# Altium PCB BB.PcbDoc (part 8 of 9)
Units mil, origin at the board's own origin, x right, y up, seen from the top; angles counter-clockwise.
Board outline 6860 x 3500 mil, 6 copper layers (Component Side, Ground Plane (GND), Inner Layer 1, Inner Layer 2, Power Plane (VCC), Solder Side), stack 51.068 mil thick; 496 components, 500 nets, 2194 pads, 1226 vias.
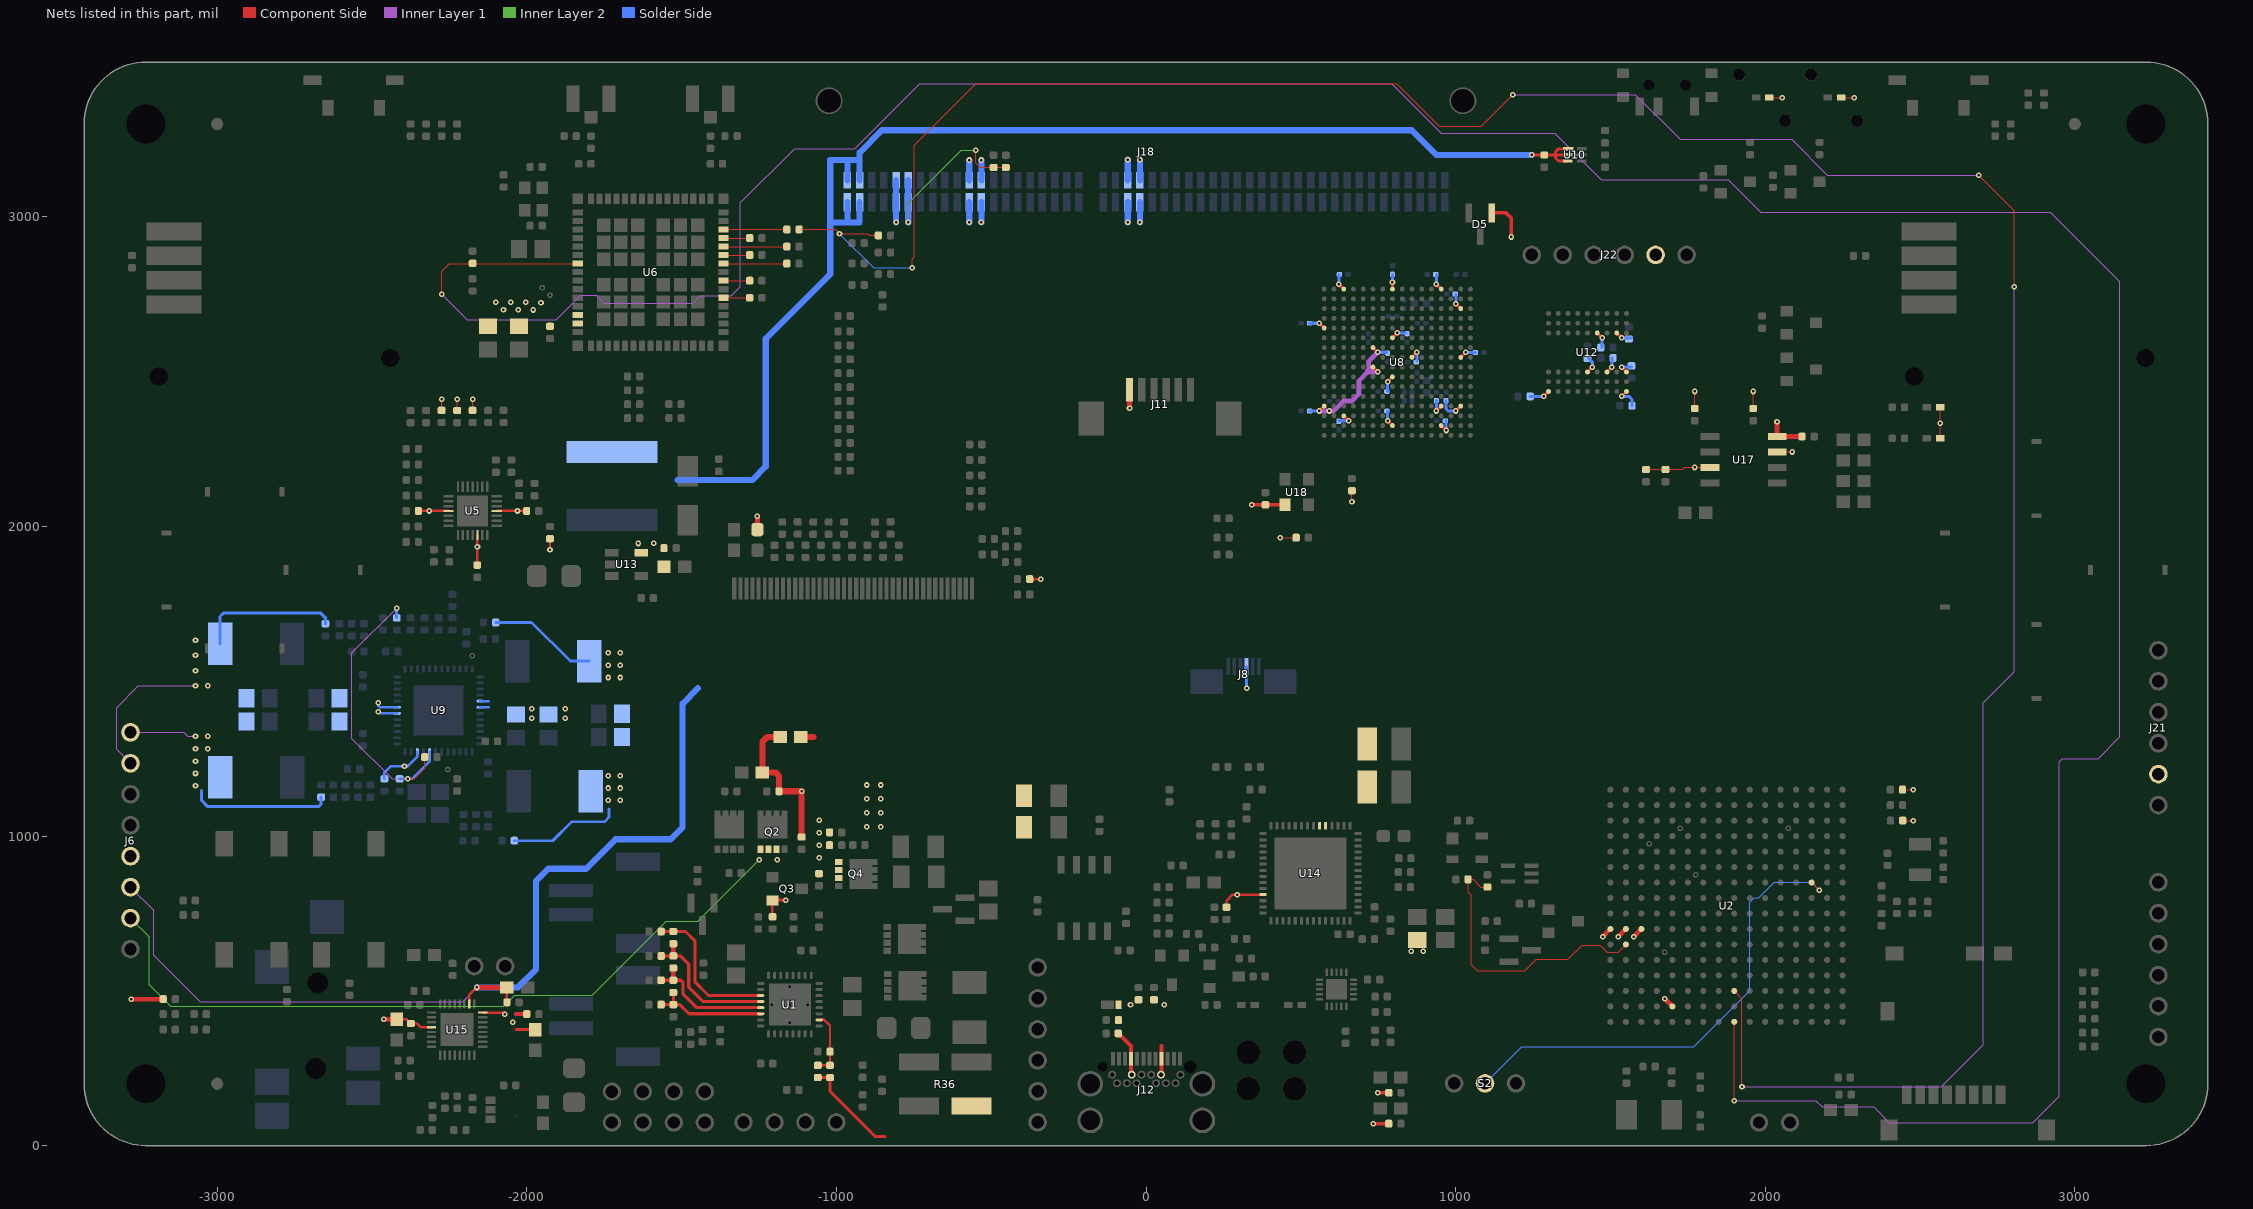
[diagram p12: the nets of this part, all layers, seen from the top]

## Via types
v1: diameter 18, hole 8, Component Side to Solder Side, tented both sides, 1183 vias
v2: diameter 19.68, hole 8, Component Side to Solder Side, tented bottom, 32 vias
v3: diameter 19.68, hole 7.87, Component Side to Solder Side, tented bottom, 4 vias
v4: diameter 19.68, hole 8, Component Side to Solder Side, tented both sides, 4 vias
v5: diameter 18, hole 8, Component Side to Solder Side, tented bottom, 3 vias

## Nets (pads, with @x,y where several pads share a name; then routed paths per layer and width w, separated by ;. In a path a pad name is that pad's centre, name@x,y a point inside that pad or via, vN(x,y) a via of type N, cw(c..) or ccw(c..) an arc to the next point about the centre after c; other vN are vias at no path point) (continued)
V3P3: C8.2 C9.2 C10.2 C11.2 C12.2 C13.2 C65.2 C66.2 C68.2 C69.2 C70.2 C71.2 C72.2 C73.2 C76.2 C77.2 C78.2 C94.2 C102.2 C118.2 C119.2 C120.2 C127.2 C128.2 C129.2 C130.2 C131.2 C140.2 C170.2 C171.2 D5.1 J6.5 J8.3 J11.1 J18.9 J18.10 J18.11 J18.12 J21.2 J22.2 L8.2 L11.1 LED2.1 LED3.1 LED5.1 LED7.1 R44.2 R49.1 R50.1 R56.1 R57.1 R68.1 R69.1 R95.1 R96.1 R104.1 R130.1 R167.1 R168.1 R171.1 R181.1 R182.1 R197.1 R200.2 R201.1 U5.4 U5.12 U5.18 U6.46 U6.47 U8.C15 U8.H10 U8.H15 U8.K8 U8.N13 U8.N15 U8.P3 U8.R8 U8.R13 U12.A7 U12.A9 U12.B3 U12.C7 U12.D3 U12.E7 U12.J9 U14.53 U15.16 U15.28 U17.3 U17.7 U17.8 U18.4 | length 4435.7
  Component Side w4: R50.1@-2275,2375 v1(-2275,2410.63) ; R49.1@-2225,2374.69 v1(-2225,2410.32) ; R68.1@-2175,2375 v1(-2175,2410.63) ; v1(-550,3215) -550,3175 -534.57,3159.57 R44.2@-492.13,3159.57 R200.2@-452.76,3159.57 ; v1@434.13,1963.86 R197.1@485.04,1963.86 ; v1@665,2080 R201.1@665,2115.63 ; R95.1@1614.96,2184.06 R96.1@1677.95,2184.06 1734.06,2184.06 1740.55,2190.55 v1(1772.44,2190.55) U17.3@1821.65,2190.55 ; R167.1@1772.44,2380.91 v1(1772.44,2436.02) ; R168.1@1961.42,2380.91 v1(1961.42,2436.02) ; LED7.1@2013.62,3385 v1(2055,3385) ; U17.7@2038.19,2240.55 v1(2087.4,2240.55) ; LED3.1@2245.62,3385 v1(2287,3385) ; R181.1@2443.39,1150 v1(2478.03,1150) ; R182.1@2444.02,1050 v1(2478.66,1050) ; LED5.1@2565,2285 v1(2565,2333) LED2.1@2565,2385
  Component Side w8: C77.2@-2420.16,408.39 -2388.17,408.39 C78.2@-2374.39,394.61 -2354.67,394.61 -2342.86,382.8 U15.28@-2307.68,382.8 ; C8.2@-2349.25,2050 U5.4@-2252.76,2050 ; C9.2@-2160,1875 -2159.25,1875.75 v1(-2159.25,1935) U5.12@-2159.25,1972.24 ; U15.16@-2142.32,430.04 -2078.34,430.04 ; U5.18@-2097.24,2050 C10.2@-2000.75,2050 ; v1(-1925,1925) R69.1@-1925,1960.63 ; R104.1@-375.63,1830 v1(-340,1830) ; C102.2@260,770 260,790.87 279.84,810.71 v1(295,810.71) U14.53@377.72,810.71
  Component Side w10: -2034,374.74 C73.2@-1972.88,374.74 ; U8.P3@638.58,2357.28 v1(654.33,2341.54) ; v1(780.31,2341.53) U8.R8@796.06,2325.79 ; v1(780.31,2467.52) U8.K8@796.06,2483.27 ; U8.H10@859.05,2546.26 v1(874.8,2562.01) ; v1(937.79,2373.03) U8.N13@953.54,2388.78 ; U8.R13@953.54,2325.79 v1(969.29,2310.04) ; v1(1000.79,2373.03) U8.N15@1016.54,2388.78 ; v1(1000.79,2719.49) U8.C15@1016.54,2703.74 ; U8.H15@1016.54,2546.26 v1(1032.28,2562.01) ; v1(1284.25,2420.28) U12.J9@1300,2436.02 ; U12.E7@1425.98,2499.02 v1(1441.73,2514.76) ; U12.D3@1457.48,2625 v1(1473.23,2609.25) ; U12.C7@1488.98,2499.02 v1(1504.72,2514.76) ; U12.B3@1520.47,2625 v1(1536.22,2609.25) ; v1(1536.22,2420.28) U12.A9@1551.97,2436.02 ; v1(1536.22,2514.76) U12.A7@1551.97,2499.02
  Component Side w12: -2035,425 C76.2@-2000,425 ; v1@341.99,2069.88 C170.2@385.54,2069.88 U18.4@449.61,2069.88 ; v1(734,71.04) R56.1@784.09,71.04 ; v1(748.46,171.04) R57.1@784.09,171.04 ; D5.1@1116.93,3012.8 1163.2,3012.8 1180,2996 v1(1180,2935)
  Component Side w15: v1(-3277.95,473.5) R130.1@-3174.37,473.5 ; v1(-2461.52,408.39) C77.2@-2420.16,408.39 ; L8.2@-1255,1989.93 v1(-1255,2033.08) ; v1(-53.18,2381.19) J11.1@-53.18,2441.54 ; v1(2038.19,2337.8) U17.8@2038.19,2290.55 C171.2@2118.9,2290.55
  Inner Layer 2 w4: v1(-767.72,2981.93) -767.72,3044.28 -597,3215 v1(-550,3215)
  Solder Side w9: R171.1@-2040.32,985 -1916,985 -1855,1046 -1749,1046 -1734,1061 -1734,1087
  Solder Side w10: v1(324.8,1477.36) J8.3@324.8,1547.24 ; C131.2@622.83,2341.54 v1(654.33,2341.54) ; v1(780.31,2341.53) C129.2@780.31,2373.03 ; C130.2@780.31,2436.02 v1(780.31,2467.52) ; C127.2@874.8,2534.2 v1(874.8,2562.01) ; v1(937.79,2373.03) C94.2@937.8,2406.5 ; v1(969.29,2310.04) C128.2@969.29,2341.54 ; C118.2@969.29,2406.5 969.29,2379.21 975.47,2373.03 v1(1000.79,2373.03) ; v1(1000.79,2719.49) C120.2@1000.79,2750.98 ; v1(1032.28,2562.01) C119.2@1063.78,2562.01 ; C70.2@1240.94,2420.28 v1(1284.25,2420.28) ; C71.2@1429.92,2542.32 1441.73,2530.51 v1(1441.73,2514.76) ; C65.2@1473.23,2577.76 v1(1473.23,2609.25) ; v1@1504.72,2512.8 v1(1504.72,2514.76) C66.2@1504.72,2544.29 ; v1(1536.22,2420.28) 1559.72,2420.28 1569.69,2410.31 C72.2@1569.69,2390 ; v1(1536.22,2514.76) C68.2@1567.72,2514.76 ; v1(1536.22,2609.25) 1559.72,2609.25 C69.2@1567.72,2609.25
  Solder Side w20: v1(-807.09,2981.93) J18.10@-807.09,3047 J18.9@-807.09,3118.5 ; v1(-767.72,2981.93) J18.12@-767.72,3047 J18.11@-767.72,3118.5
  other v1: -2046,398 -2070.9,425 -1737.53,1115.14 -1697.53,1115.14 -1737.53,1155.14 -1697.53,1155.14 -1737.53,1195.14 -1697.53,1195.14 433.86,1963.86 -2315,2050 -2030,2050 341.72,2069.88 665.32,2080 -1978.88,2699.23 -2075.32,2700 -2027.48,2700 -1954.19,2723.15 -2100,2723.92 -2002.79,2723.92 -2051.4,2724.69
V5P0: C31.2 C47.2 C48.2 C79.2 C80.2 C113.2 J6.6 J18.1 J18.2 J18.3 J18.4 L7.1 L10.1 R165.1 U2.M15 U2.P10 U2.R10 U2.T10 U10.1 U10.2 U10.3 U13.5 U15.18 | length 7910.5
  Component Side w8: U15.18@-2185.63,457.6 -2185.63,488.27 v1@-2161,512.9 ; v1@-2159.1,511 v1@-2161,512.9 ; v1@-2158.9,515 v1@-2161,512.9 ; C79.2@-2064.47,515 C79.2@-2064.1,515 ; C80.2@-2064.1,463 C79.2@-2064.1,511
  Component Side w10: v1(1246.36,3200) 1322.89,3200 ; U10.3@1362.36,3180.31 1332.72,3180.31 1322.89,3190.14 1322.89,3200 ; U10.2@1362.36,3200 1322.89,3200 ; U10.1@1362.36,3219.69 1332.72,3219.69 1322.89,3209.86 1322.89,3200
  Component Side w15: v1@-2159.1,511 C79.2@-2064.47,511 ; v1(1475,674.82) U2.T10@1500,699.82 ; v1(1525,674.82) U2.R10@1550,699.82 ; v1(1575,674.82) U2.P10@1600,699.82 ; v1(1675,474.82) U2.M15@1700,449.82
  Inner Layer 1 w4: J6.6@-3280,835 -3205,760 -3205,615 -3055,465 -2207,465 v1(-2161,511)
  Solder Side w9: R165.1@-2100.32,1690 -1984.39,1690 -1859.39,1565 L10.1@-1798.86,1565
  Solder Side w20: v1(-2161,511) -2029,511 -1970,570 -1970,855 -1930.26,894.74 -1808.26,894.74 -1713,990 -1535,990 -1497,1028 -1497,1428 -1447.5,1477.5 ; -1513,2150 -1272,2150 -1228,2194 -1228,2607 -1020,2815 -1020,2981.93 ; J18.2@-964.57,3047 -964.57,2981.93 ; J18.1@-964.57,3118.5 -964.57,3183.57 ; J18.4@-925.2,3047 -925.2,2981.93 -964.57,2981.93 ; J18.3@-925.2,3118.5 -925.2,3183.57 ; v1(1246.36,3200) 938,3200 858,3280 -852.83,3280 -925.2,3207.63 -925.2,3183.57 ; -1020,2981.93 -1020,3183.57 -964.57,3183.57 ; -1020,2981.93 -964.57,2981.93 ; -964.57,3183.57 -925.2,3183.57
  other v1: -1737.53,1512.14 -1697.53,1512.14 -1737.53,1552.14 -1697.53,1552.14 -1737.53,1592.14 -1697.53,1592.14 -1640,1945 -1590,1946
V_USB_HV: C88.2 C89.2 Q3.2 Q4.1 Q4.2 Q4.3 R24.1 R26.1 R27.1 R28.1 T16.1 U14.33 U14.34 | length 136.1
  Component Side w8: R24.1@-1206.49,739.37 Q3.2@-1206.49,791.12
  Component Side w10: Q3.2@-1206.49,793.09 v1(-1163.18,793.09)
  Component Side w20: T16.1@-1115,1320 -1073.93,1320
  other v1: -1056,930.49 -1056,970.49 -1056,1010.49 -1056,1050.49
VADJ1: C95.2 C111.2 C116.2 C117.2 C146.2 J6.1 J18.21 J18.23 J18.45 J18.47 L12.1 R187.1 U8.A3 U8.A8 U8.A13 U8.F8 | length 1136.7
  Component Side w10: v1(622.83,2782.48) U8.A3@638.58,2766.73 ; U8.F8@796.06,2609.25 v1(811.81,2625) ; U8.A8@796.06,2766.73 v1(796.06,2789) ; v1(937.8,2782.48) U8.A13@953.54,2766.73
  Inner Layer 1 w4: J6.1@-3280,1335 -3108,1335 -3095.14,1322.14 v1(-3070.05,1322.14)
  Solder Side w4: C117.2@622.83,2813.98 C117.2@624.8,2813.98
  Solder Side w10: -3050,1146.88 -3050,1115 -3030,1095 -2673,1095 -2664.21,1103.79 R187.1@-2664.21,1125.63 ; v1(622.83,2782.48) C117.2@622.83,2813.98 ; v1(796.06,2789) C111.2@796.06,2813.98 ; v1(811.81,2625) C95.2@839.61,2625 ; v1(937.8,2782.48) C116.2@937.8,2813.98
  Solder Side w20: J18.21@-570.87,3118.5 v1(-570.87,3183.57) ; J18.23@-531.5,3118.5 v1(-531.5,3183.57) ; J18.45@-59.06,3118.5 v1(-59.06,3185) ; J18.47@-19.69,3118.5 v1(-19.69,3185)
  other v1: -3070.05,1162.14 -3070.05,1202.14 -3070.05,1242.14 -3070.05,1282.14 -3030.05,1282.14 -3030.05,1322.14
VADJ2: C132.2 C133.2 C134.2 C135.2 C152.2 J6.2 J18.22 J18.24 J18.46 J18.48 L13.1 R191.1 U8.E1 U8.G6 U8.J6 U8.N1 | length 1749.4
  Component Side w10: v1(559.84,2373.03) U8.N1@575.59,2388.78 ; v1(559.84,2656.5) U8.E1@575.59,2640.75 ; U8.J6@733.07,2514.76 v1(748.82,2499.02) ; U8.G6@733.07,2577.76 v1(748.82,2562.01)
  Inner Layer 1 w4: J6.2@-3280,1235 -3325,1280 -3325,1415 -3255,1485 v1(-3070,1485)
  Inner Layer 1 w15: v1(559.84,2373.03) 606.03,2373.03 638,2405 665,2405 688,2428 688,2471 720,2503 720,2533.19 v1(748.82,2562.01) ; 718.63,2499.02 v1(748.82,2499.02)
  Solder Side w10: L13.1@-2990.67,1621.14 -2990.67,1709.33 -2980,1720 -2665,1720 -2650.53,1705.53 R191.1@-2650.53,1685.83 ; C135.2@528.35,2373.03 v1(559.84,2373.03) ; C132.2@528.35,2656.5 v1(559.84,2656.5) ; C133.2@721.02,2499.02 v1(748.82,2499.02) ; v1@748.82,2562.71 C134.2@776.62,2562.71
  Solder Side w20: v1(-570.87,2981.93) J18.22@-570.87,3047 ; v1(-531.5,2981.93) J18.24@-531.5,3047 ; v1(-59.06,2981.93) J18.46@-59.06,3047 ; v1(-19.69,2981.93) J18.48@-19.69,3047
  other v1: -3030,1485 -3070,1534.33 -3070,1583.67 -3070,1633 591.34,2373.03
VBUS: C121.2 C122.2 C123.2 C124.2 D7.1 J12.A4 J12.A9 J12.B4 J12.B9 L4.1 | length 243
  Component Side w12: C124.2@-88.74,362.64 -48.11,322.01 J12.A4@-48.11,280.79 J12.B9@-48.11,229.21 ; J12.B4@50.31,229.21 J12.A9@50.31,280.79 50.31,322.01
  other v1: 58.62,455.1 -50,455.79 856.06,627.64 895.43,627.64
VC1: C21.1 C24.2 R31.2 U1.6 | length 361.4
  Component Side w10: R31.2@-1566.07,455.49 C24.2@-1526.7,455.49 C21.1@-1526.7,494.86 ; C24.2@-1514.96,455.49 -1505.49,455.49 -1475.96,425.96 U1.6@-1244.57,425.96
VC2: C20.1 C21.2 R29.2 U1.5 | length 424.1
  Component Side w10: R29.2@-1570.95,534.23 R29.2@-1566.07,534.23 C21.2@-1526.7,534.23 -1502.23,534.23 -1496,528 -1496,491 -1450.65,445.65 U1.5@-1244.57,445.65
  Component Side w15: C21.2@-1526.7,534.23 C20.1@-1526.7,573.6
VC3: C17.1 C20.2 R25.2 U1.4 | length 470.1
  Component Side w10: R25.2@-1570.95,612.97 R25.2@-1566.07,612.97 C20.2@-1526.7,612.97 -1504.3,612.97 -1477,585.67 -1477,512 -1430.33,465.33 U1.4@-1244.57,465.33
  Component Side w15: C20.2@-1526.7,612.97 C17.1@-1526.7,652.34
VC4: C17.2 R21.2 U1.3 | length 489.6
  Component Side w10: R21.2@-1570.95,691.71 R21.2@-1566.07,691.71 C17.2@-1526.7,691.71 -1487.18,691.71 -1457,661.53 -1457,529 -1413.02,485.02 U1.3@-1244.57,485.02
VDDD_V3P3: C158.2 R193.2 R195.1 U9.20 | length 1003.1
  Component Side w4: v1(-2385,1184.69) -2363.31,1184.69 -2329.37,1218.63 R193.2@-2329.37,1255
  Inner Layer 1 w4: v1(-2420.53,1736.46) -2565,1591.98 -2565,1315 -2434.69,1184.69 v1(-2385,1184.69)
  Solder Side w8: C158.2@-2410.5,1184.69 v1(-2385,1184.69) -2370.31,1184.69 -2314.06,1240.94 U9.20@-2314.06,1272.28
  Solder Side w9: R195.1@-2420.53,1705.83 v1(-2420.53,1736.46)
VFB: C38.1 R37.2 R67.1 U1.18 | length 210.3
  Component Side w8: C38.1@-1060,259.37 R37.2@-1020.63,259.37 R67.1@-1020.63,304 -1020.63,387.63 -1039.28,406.28 U1.18@-1055.59,406.28
VOLUME: S2.2 U2.C7 | length 1562.1
  Component Side w4: U2.C7@2150,849.82 v1(2175,824.82)
  Solder Side w4: S2.2@1095,201 1213,319 1769,319 1950,500 1950,785.82 1964.18,800 1978.92,800 2029,850.08 2149.74,850.08 v1(2175,824.82)
VSYS: C16.1 C36.1 C37.1 C38.2 C112.2 C139.2 C145.2 C151.2 C156.2 J6.7 Q2.1 Q2.2 Q2.3 R19.1 R36.1 R37.1 T12.1 T16.2 U9.5 U9.6 U9.22 U9.30 U9.31 | length 3597
  Component Side w10: C38.2@-1060,220 R37.1@-1020.63,220 -1020.63,175.63 -874.49,29.49 -842.4,29.49
  Component Side w20: T16.2@-1181.93,1320 -1223,1320 -1238.94,1304.06 T12.1@-1238.94,1205.49 -1196.61,1205.49 -1185.51,1194.39 C16.1@-1185.51,1144.46 v1(-1112.4,1144.46) R19.1@-1112.4,996.83
  Inner Layer 2 w4: J6.7@-3280,735 -3220,675 -3220,520 -3150,450 -2075,450 -2039,486 -1789,486 -1550,725 -1447.5,725 v1(-1249.49,923.01)
  Solder Side w8: v1@-2480.53,1406.14 -2470.68,1396.3 U9.30@-2418.39,1396.3 ; -2480.53,1422.14 -2474.37,1415.98 U9.31@-2418.39,1415.98 ; C156.2@-2460,1184.69 -2460,1205 -2440,1225 v1(-2395,1225) -2385,1225 -2353.43,1256.57 U9.22@-2353.43,1272.28
  Solder Side w9: U9.6@-2150.67,1415.98 -2123.94,1415.98 ; U9.5@-2150.67,1435.67 -2123.94,1435.67
  other v1: -1190.43,923.01 -902.4,1029.96 -857.4,1029.96 -902.4,1074.96 -857.4,1074.96 -902.4,1119.96 -857.4,1119.96 -902.4,1164.96 -857.4,1164.96 -1984.53,1381.14 -1875.53,1381.14 -2479.53,1401.14 -1984.53,1411.14 -1875.53,1411.14 -2479.53,1431.14
WARM_RST_N: R51.2 R52.1 U2.R11 | length 914.9
  Component Side w4: R52.1@1103,835.32 1081.68,835.32 1057,860 R51.2@1040.16,860 1040.16,818.84 1050,809 1050,585 1070,565 1223,565 1260,602 1362.74,602 1408.74,648 1466.61,648 1490.07,624.54 1525,624.54 U2.R11@1550,649.54
WIFI_DEV_IRQ: R92.2 U6.14 | length 204.8
  Component Side w4: U6.14@-1364.76,2959.23 R92.2@-1159.92,2959.23
WIFI_IRQ: R85.2 R92.1 U2.H14 | length 8721.3
  Component Side w4: R92.1@-1120.55,2959.23 -1004.07,2959.23 v1(-990,2945.16) -899.01,2945.16 -893.85,2940 R85.2@-869.69,2940 ; v1(-755,2835) -755,2865 -749,2871 -749,3231 -550,3430 -507,3430 810,3430 947,3293 1083,3293 v1(1185,3395) ; U2.H14@1900,499.82 1925,474.82 ; v1(1925,190) 1925,474.48 ; v1(2690,3135) 2805,3020 v1(2805,2774)
  Inner Layer 1 w4: v1(1185,3395) 1580,3395 1725,3250 2085,3250 2200,3135 v1(2690,3135) ; v1(1925,190) 2569,190 2705,326 2705,1430 2805,1530 v1(2805,2774) v1@2805,2775
  Solder Side w4: v1(-990,2945.16) -879.84,2835 v1(-755,2835)
WIFI_SDIO_CLK: R86.2 U6.8 | length 84.8
  Component Side w4: U6.8@-1364.76,2793.88 R86.2@-1280,2793.88
WIFI_SDIO_CMD: R87.2 U6.6 | length 84.8
  Component Side w4: U6.6@-1364.76,2738.76 R87.2@-1280,2738.76
WIFI_SDIO_DAT0: R88.2 U6.10 | length 204.8
  Component Side w4: U6.10@-1364.76,2849 R88.2@-1160,2849
WIFI_SDIO_DAT1: R89.2 U6.11 | length 84.8
  Component Side w4: U6.11@-1364.76,2876.56 R89.2@-1280,2876.56
WIFI_SDIO_DAT2: R90.2 U6.12 | length 204.8
  Component Side w4: U6.12@-1364.76,2904.11 R90.2@-1160,2904.11
WIFI_SDIO_DAT3: R91.2 U6.13 | length 84.8
  Component Side w4: U6.13@-1364.76,2931.67 R91.2@-1280,2931.67
WLAN_EN: R76.1 U2.H16 U6.40 | length 10887.5
  Component Side w4: v1(-2275,2750) -2275,2824.69 -2250.69,2849 U6.40@-1835.24,2849 ; v1(1900,145) U2.H16@1900,399.82
  Inner Layer 1 w4: v1(-2275,2750) -2193,2668 -1905,2668 -1826,2747 -1775,2747 -1749,2721 -1463.15,2721 -1439.15,2745 -1339,2745 -1310,2774 -1310,3045 -1135,3220 -940,3220 -730,3430 794.43,3430 954.43,3270 1321,3270 1471,3120 1880,3120 1985,3015 2920,3015 3145,2790 3145,1320 3075,1250 2960,1250 2950,1240 2950,160 2864,74 2400.96,74 2350,124.96 2184.04,124.96 2164,145 v1(1900,145)
pads on no net: D1.2 D2.2 D5.2 F1.0 F2.0 F3.0 J5.S J8.M1 J8.M2 J10.35 J10.37 J10.38 J10.39 J10.40 J12.A2 J12.A3 J12.A10 J12.A11 J12.B2 J12.B3 J12.B10 J12.B11 J12.M J14.MNT J15.MNT J16.M J17.M J18.18 J18.20 J18.94 J19. J19.5 J19.6 J20.2 J20.3 J20.6 M1. M2. M3. M4. MNT1.MOUNT MNT2.MOUNT MNT3.MOUNT MNT4.MOUNT S1.2 S3.M S4.M S5.2 S6.M S15.0 S15.3 S15.M S16.M U1.15 U2.B4 U2.D5 U2.D12 U2.E14 U2.E15 U2.E16 U2.F4 U2.F13 U2.F14 U2.G4 U2.G13 U2.H6 U2.J6 U2.J14 U2.J15 U2.J16 U2.K4 U2.K13 U2.K14 U2.K15 U2.K16 U2.L13 U2.M14 U2.N6 U2.N7 U2.P13 U2.P14 U2.R13 U2.R15 U2.T11 U2.T15 U2.T16 U4.1 U5.11 U6.2 U6.3 U6.4 U6.5 U6.21 U6.22 U6.25 U6.26 U6.27 U6.56 U6.57 U6.58 U6.60 U6.62 U8.A15 U8.A16 U8.B1 U8.B10 U8.B11 U8.B12 U8.B13 U8.B14 U8.B15 U8.C9 U8.C10 U8.C11 U8.C12 U8.C13 U8.C14 U8.D8 U8.D9 U8.D10 U8.D11 U8.D12 U8.D13 U8.E3 U8.E9 U8.E10 U8.E11 U8.F1 U8.F5 U8.F11 U8.G2 U8.G4 U8.G10 U8.G11 U8.G12 U8.H4 U8.H6 U8.H12 U8.J10 U8.J11 U8.J12 U8.K5 U8.K11 U8.K12 U8.K13 U8.L3 U8.L5 U8.L6 U8.L7 U8.L9 U8.L12 U8.L13 U8.M2 U8.M3 U8.M4 U8.M5 U8.M6 U8.M7 U8.M9 U8.M12 U8.M13 U8.N2 U8.N3 U8.N5 U8.N7 U8.N10 U8.N12 U8.N14 U8.P1 U8.P2 U8.P7 U8.P13 U8.R6 U9.44 U12.E2 U14.1 U14.25 U14.29 U14.30 U14.31 U14.32 U15.1 U15.2 U15.3 U15.4 U15.32 U30.21@596.61,486.3 U30.21@596.61,523.7 U30.21@634.02,486.3 U30.21@634.02,523.7

## Polygon pours and split planes (outlines as drawn)
VADJ2 on Component Side "Component Side-VADJ2" (solid, pour order 81): 593,2345 600,2352 600,2394 594,2400 405,2400 321,2484 235,2484 188.49,2530.51 142.83,2530.51 125,2548.35 125,2595 150,2620 566.47,2620 580.47,2634 580.47,2652.53 503,2730 240.37,2730 5,2965.37 5,2989 -22,3016 -71,3016 -80,3007 -80,2699.62 274.62,2345
SYS_VDD3_3P3V on Component Side "SYS_VDD3_3P3V_L01_P067" (solid, pour order 67): 2025,734.82 2025,809.82 2010,824.82 1940,824.82 1925,839.82 1925,864.82 1915,874.82 1840,874.82 1825,859.82 1825,834.82 1815,824.82 1740,824.82 1715,799.82 1715,744.82 1735,724.82 1915,724.82 1930,739.82 1930,759.82 1935,764.82 1960,764.82 1965,759.82 1965,749.82 1990,724.82 2015,724.82
SYS_VOUT on Component Side "SYS_VOUT_L01_P065" (solid, pour order 65): 1815,924.82 1825,914.82 1825,874.82 1820,869.82 1820,839.82 1810,829.82 1735,829.82 1725,839.82 1725,914.82 1735,924.82
SYS_VDD1_3P3V on Component Side "SYS_VDD1_3P3V_L01_P063" (solid, pour order 63): 2050,889.82 2015,924.82 1935,924.82 1925,914.82 1925,879.82 1930,874.82 1930,844.82 1945,829.82 2015,829.82 2050,864.82
SYS_VDD_1P8V on Component Side "SYS_VDD_1P8V_L01_P061" (solid, pour order 61): 2030,659.82 2039.98,669.8 2040,709.53 2029.7,719.82 1980,719.82 1970,729.82 1970,764.82 1965,769.82 1934.95,769.82 1930,764.82 1930,734.82 1915,719.82 1735,719.82 1725,709.82 1725,684.82 1740.02,669.8 1810.02,669.8 1825,654.82 1825,619.82 1835,609.82 1925,609.82 1930,614.82 1930,654.85 1934.95,659.82
V_USB_HV on Component Side "V_USB_HV_L01_P059" (solid, pour order 59): -295,1201 -196,1300 524.68,1300 556.85,1267.83 556.85,1030 565,1030 565,1052.83 575,1052.83 575,1030 585,1030 585,1095 610,1120 689.06,1120 689.06,1344.13 658.19,1375 -639,1375 -1040.05,1374.95 -1077.4,1337.6 -1077.4,909.81 -1062,909.81 -1062,885 -1050,885 -1050,909.81 -1036.22,909.81 -1036.22,859.99 -1002.4,860.01 -1002.4,921 -1022.1,940.7 -1022.1,1106.03 -927.49,1201
VSYS on Component Side "VSYS_L01_P053" (solid, pour order 53): -847.4,75.63 -847.4,10 -475,10 -387.4,97.6 -387.4,1181 -914.92,1181 -914.92,1018 -520.48,1018 -452.4,949.92 -452.4,150.63 -523.86,150.63 -523.86,75.63
VBUS on Component Side "VBUS_L01_P049" (solid, pour order 49): -85,355.79 -85,371.57 -75,371.33 -75,394.45 -85,394.45 -85,416.57 -75,416.57 -75,442.39 -85,442.39 -85,466.57 58.62,466.57 110,416.57 110,394.45 100,394.45 100,367.05 110,366.57 110,346.57 80,346.57 55,321.57 45,321.57 45,338.23 55,348.23 55,386.57 40,401.57 -25,401.57 -70.79,355.79
GND on Component Side "GND_L01_P045" (solid, remove dead copper, pour order 45): -1890,2539.37 -1890,3190 -1975,3275 -1975.18,3450 -1250,3450 -1250,3200 -1325.23,3124.77 -1324.97,2539.37
V5P0 on Solder Side "V5P0_L06_P073" (solid, pour order 73): -1299,1300 615,1300 1465,450 1715,450 1715,699.82 1555.18,699.82 829.99,1425.01 -980.01,1425.01 -1470,1915 -1470,2210 -1575,2315 -1880,2315 -1900,2295 -1900,1901
BGND on Solder Side "BGND_L06_P054" (solid, pour order 54): -1926.73,395.04 -1926.73,262 -560,262 -454.3,367.7 -451.64,916.64 -781,1246 -1302.74,1246 -1478,1070.74 -1478,548 -1630.96,395.04
USB_3V3 on Solder Side "USB_3V3_L06_P052" (solid, remove dead copper, pour order 52): -152.1,610.66 -152.1,872.74 102.32,1127.17 685.84,1127.17 930.1,882.9 930.1,820.1 915,805 832,805 612.33,1024.67 375,1024.67 250,1025 225,1000 225,924.74 334.41,815.33 334.41,762.41 182.66,610.66
V1P8 on Solder Side "V1P8_L06_P051" (solid, pour order 51): -3120.01,1620.01 -3120.01,2890.99 -3031,2980 -2045,2980 -1930,2865 -1870,2865 -1830,2905 -1560,2905 -1540,2925 -1408.09,2925 -1251,3174.92 -1251,3215 -3049.97,3215 -3300.01,2965 -3300.01,1620.01
VBUS on Solder Side "VBUS_L06_P050" (solid, pour order 50): -61.89,446.5 271.5,446.5 475,650 650,650 700,600 899.67,600 915,615.33 915,684.67 869.66,730 400,730 235,565 -61.89,565
VSYS on Solder Side "VSYS_L06_P046" (solid, pour order 46): -1265,910 -1269.98,914.98 -1270.35,1108.08 -1193.43,1185 -826,1184.92 -826,1015 -915,1015 -965,1065 -1150,1065 -1170,1045 -1170,925 -1185,910 -1237.36,910
SYS_VDD1_3P3V on Inner Layer 2 "SYS_VDD1_3P3V_L04_P071" (solid, pour order 71): 1950,909.9 2615.1,909.9 2722,803 2722,149.82 2657.18,85 2475,85 2445,115 2445,165 2593,313 2593,767 2519.67,840.33 1950,840.33
V1P2 on Inner Layer 2 "V1P2_L04_P055" (solid, pour order 55): 575.59,2404.53 575.59,2451.77 701.57,2451.77 701.57,2641.2 1235.37,3175 1275.37,3215 1535,3215 1545,3225 1545,3285 1550,3290 1570,3290 1575.01,3284.99 1575.01,3214.98 1395.04,3035 1237.01,3035 1016.54,2813.98 1016.54,2766.73 890.55,2640.75 890.55,2609.25 859.05,2577.76 859.06,2530.51 874.8,2514.76 874.8,2467.52 859.05,2451.77 827.56,2451.77 807.08,2483.27 780.31,2483.27 701.57,2404.53
VADJ2 on Inner Layer 1 "Inner Layer 1-VADJ2" (solid, pour order 79): 0,2975 0,3055 -5,3060 -535,3060 -655,2940 -847,2940 -935,2852 -935,2685 -1645,1975 -2775,1975 -3085,1665 -3085,1465 -3045,1425 -2924,1425 -2569,1780 -1550,1780 -545,2785 -545,2900.16 -500,2945.16 -29.84,2945.16
VSYS on Inner Layer 1 "Inner Layer 1-VSYS" (solid, pour order 77): -1785,1215 -862,1215 -835,1188 -835,1025 -845,1015 -915,1015 -1767,1015 -2012,1260 -2355,1260 -2370,1245 -2370,1230 -2385,1215 -2400,1215 -2405,1220 -2405,1235 -2400,1240 -2400,1265 -2505,1370 -2505,1425 -2485,1445 -1865,1445 -1845,1425 -1845,1275